# KiCad board robot.kicad_pcb (continued)
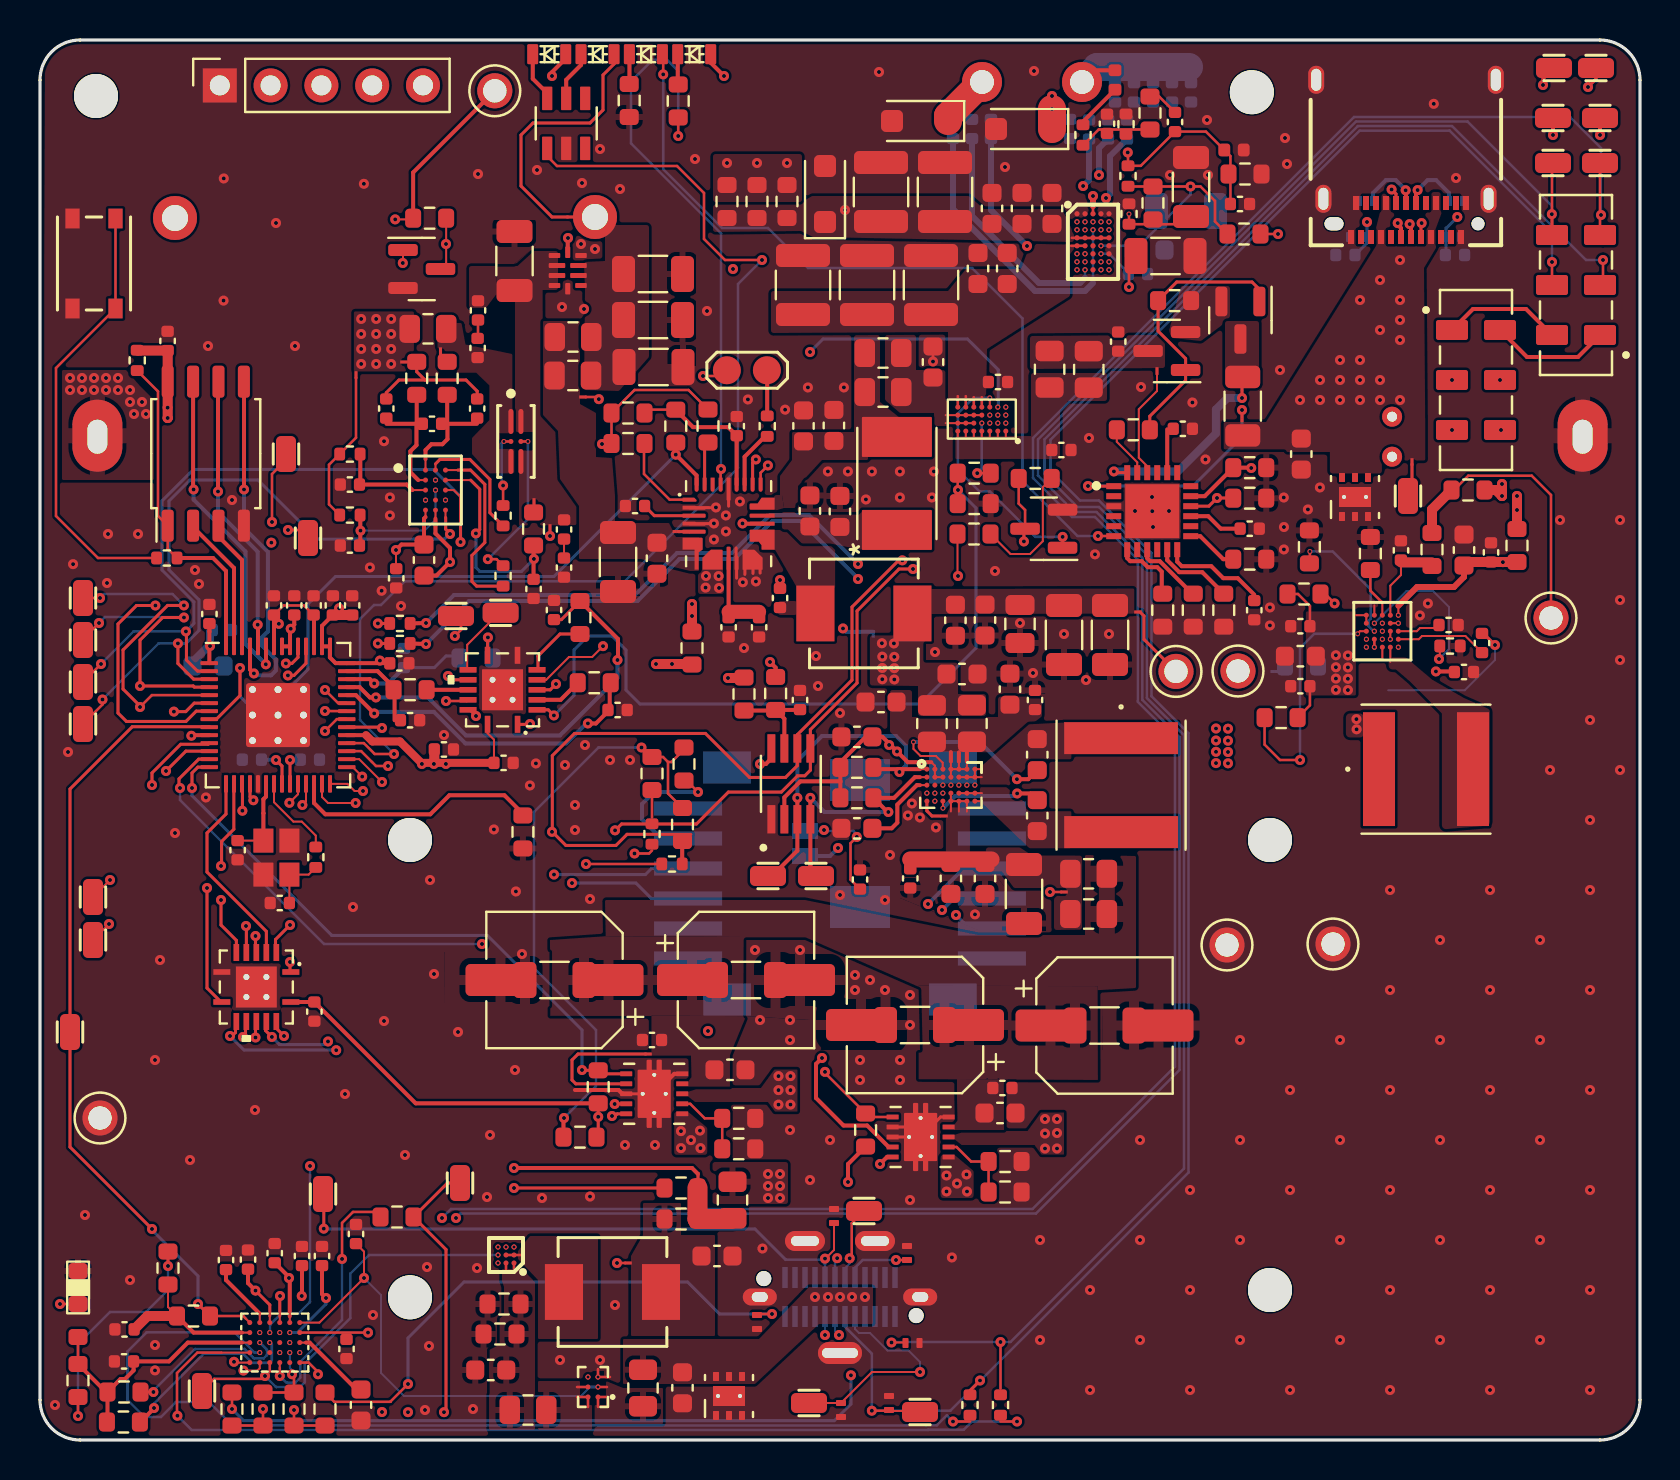
[diagram p0: board, top side]
## Routing (per net, layer and track width the routed paths; a pad name or vN(x,y) marks a point on that pad's centre or on a via; arc(x,y) is an arc through that point) (continued)
Net-(C3-Pad1): length 2.9
  Top Layer w0.1: C3.1 Y1.3 13.43,28.27 R5.2
Net-(C30-Pad2): length 1.9
  Top Layer w0.1: U6.B5 U6.B7 ; U6.B7 47.09,33.14 ; U6.B7 U6.A7 47.1,33.54
Net-(C31-Pad1): length 1.5
  Top Layer w0.1: U6.E7 47.1,31.94 ; 47.1,32.34 U6.D7 U6.D5
Net-(C59-Pad2): length 6.8
  Top Layer w0.152: C61.1 21.86,52.44 21.3,53 19.25,53 ; 19.25,53 18.84,53.41 R43.2 ; 19.25,53 17.95,53 17.31,52.36 C59.2
Net-(C62-Pad2): length 0.9
  Top Layer w0.127: C62.2 21.9,55.1 C63.1
Net-(C65-Pad2): length 0.9
  Top Layer w0.1: C66.1 26.2,44.1 C65.2
Net-(C84-Pad1): length 8
  Top Layer w0.1: U14.C4 U14.D4
  Top Layer w0.152: v1(72.75,39.75) 72.17,40.33 C84.1
  Bottom Layer w0.1: v1(72.75,39.75) 72.75,39 71.24,37.49 67.41,37.49
  vias: v1(65.82,36.04) v1(65.83,35.53) v2(67.52,40.04)
Net-(C100-Pad1): length 0.8
  Top Layer w0.127: U17.A1 23.7,8.45 ; U17.A2 23.3,8.45
Net-(C110-Pad2): length 1.6
  Top Layer w0.127: R96.2 55.95,67.17 C110.2
Net-(C112-Pad2): length 3.7
  Top Layer w0.127: R96.1 52.94,65.53 R101.2
Net-(D1-A): length 33.9
  Top Layer w0.2: v1(34.2,68.2) 33.54,68.86 33.54,69.08
  Signal Layer 1 w0.2: v1(40.15,40.58) 40.15,40.65 38.7,42.1 38.7,45.1 34.2,49.6 34.2,58.1 v1(34.65,58.55)
  Signal Layer 2 w0.2: v1(34.65,58.55) 33.4,59.8 33.4,67.4 v1(34.2,68.2)
  Bottom Layer w0.2: v1(40.15,40.58) 40.32,40.41 41.66,40.41
Net-(D1-K): length 1.6
  Top Layer w0.1: 31.89,67.9 31.91,67.88
  Top Layer w0.2: 31.89,69.48 31.89,67.9
Net-(D2-A): length 91.1
  Top Layer w0.1: 67.92,41.24 67.92,41.72
  Top Layer w0.2: 26.29,69.08 25.6,68.39 v1(25.6,68.2)
  Top Layer w0.3: 71.2,43.9 71.2,43.15 70.7,42.65 68.85,42.65 67.92,41.72
  Top Layer w0.5: 71.2,43.9 C92.1 R94.1
  Signal Layer 1 w0.127: v2(67.12,40.44) 67.29,40.44 67.41,40.55 67.41,40.74 67.91,41.24 v2(67.92,41.24)
  Signal Layer 1 w0.2: v1(73.15,43.89) 75.25,46 75.25,51.2 79.4,55.35 79.4,67 77,69.4 26.8,69.4 v1(25.6,68.2)
Net-(D3-A): length 13.4
  Top Layer w0.152: 26.4,61.15 25.6,61.15 24.05,62.7 24.05,65.25 24.65,65.85 27.5,65.85 28.15,66.5 28.15,68.25 28.7,68.8 28.7,69.5
Net-(D4-K): length 1
  Top Layer w1.4: v1(50.6,66.55) D4.1
  vias: v1(50.6,67.2) v2(53.05,60.91) v2(53.05,60.51) v2(53.45,60.91) v2(53.45,60.51)
Net-(D5-A): length 40.8
  Top Layer w0.127: U18.6 53.68,45.2 v1(52.9,45.2) ; v1(31.16,68.28) 31.16,69.46
  Bottom Layer w0.127: v1(31.16,68.28) 31.16,63.54 34.1,60.6 36.4,60.6 38.4,58.6 46.6,58.6 49.12,56.08 49.12,47.95 51.88,45.2 v1(52.9,45.2)
Net-(D5-K): length 1.7
  Top Layer w0.2: 29.47,69.48 29.47,67.84 29.46,67.83
Net-(D6-K): length 2.7
  Top Layer w1.4: J8.1 45.4,66.2 D6.1
  vias: v2(51.85,60.91) v2(51.85,60.51) v2(52.25,60.91) v2(52.25,60.51)
Net-(D9-A): length 7.6
  Top Layer w0.2: D9.2 52.69,68.48 J8.2
  Bottom Layer w1.4: J8.2 52.85,68.65 57.45,68.65
Net-(D9-K): length 2.4
  Top Layer w0.2: R101.1 52.15,65.92 D9.1
Net-(D11-K): length 15.8
  Top Layer w0.127: v1(54.39,64.38) 54.4,64.37 R98.1 55.04,63.71 C110.1 58.3,65.42 D11.1 59.52,64.19 C111.2
  Signal Layer 2 w0.127: v1(54.39,64.38) 54.15,64.14 54.15,60.7 53.55,60.1 52.8,60.1 52.25,59.55 v2(52.25,59.31)
Net-(IC1-ON): length 45.5
  Top Layer w0.127: 41,27.54 40.53,28.02 40.53,29.84 v1(40.84,30.15)
  Top Layer w0.2: v1(26.4,60.1) 26.39,60.09 IC1.10
  Signal Layer 1 w0.2: v1(39.2,30.5) 38.02,30.5 32.82,35.7 30.02,35.7 27.25,38.47 27.25,45.3 29.45,47.5 29.45,51.8 27.65,53.6 27.65,57.15 26.4,58.4 v1(26.4,60.1)
  Bottom Layer w0.127: SW1.1 40.67,30.45 40.84,30.28 v1(40.84,30.15)
Net-(J4-CC1): length 38.8
  Top Layer w0.1: U11.A3 11.49,6.19 11.5,6.2 ; v1(39.25,9.07) 39.27,9.07 39.7,9.5 U23.1
  Top Layer w0.152: 11.49,6.21 11.49,6.76 v1(10.78,7.47) ; v1(14.19,10.57) 14.19,12.26 TP3.1
  Top Layer w0.2: v1(10.78,7.47) 10.4,7.85 C46.1
  Signal Layer 1 w0.152: v1(14.19,10.57) 12.58,10.57 10.78,8.76 v1(10.78,7.47)
  Bottom Layer w0.127: 37.28,9.02 39.03,9.02 39.25,8.8 J4.A5
  Bottom Layer w0.152: 37.28,9.02 35.75,10.55 14.21,10.55 v1(14.19,10.57)
Net-(J4-CC2): length 60.6
  Top Layer w0.1: U11.A4 11.99,6.2 ; TP4.1 U22.1 41.6,3.4 v1(44,3.4)
  Top Layer w0.152: 11.99,6.2 11.99,7.14
  Top Layer w0.2: v1(13.09,7.2) 13.1,7.21 C45.1
  Signal Layer 1 w0.152: v1(44,3.4) 44,3.27 41.43,0.7 17.8,0.7 v1(17.1,1.4)
  Signal Layer 2 w0.152: v1(13.09,7.2) v1(12,7.2) 11.7,6.9 9.74,6.9 8.5,5.66 8.5,1.9 9.5,0.9 16.6,0.9 v1(17.1,1.4)
  Bottom Layer w0.1: v1(44,3.4) 44,3.9 43.42,4.47 42.38,4.47 41.5,5.35 40.95,5.35 40.75,5.55 J4.B5
Net-(J4-SBU1): length 46.9
  Top Layer w0.127: v1(42.8,9) U21.1 ; R38.2 v1(9.6,1.55)
  Signal Layer 2 w0.127: v1(40.55,3.24) 42.12,3.24 45.05,6.17 45.05,7.37 43.42,9 v1(42.8,9)
  Bottom Layer w0.127: v1(42.8,9) 41.13,9 40.75,8.62 J4.A8
  Bottom Layer w0.152: v1(9.6,1.55) 10.18,0.97 39.72,0.97 40.55,1.8 v1(40.55,3.24)
Net-(J4-SBU2): length 31.8
  Top Layer w0.127: R40.2 14.71,1.91 17.53,1.91 17.53,1.93 v1(18.4,2.8) ; v1(36.6,6.3) 35.9,6.3 U20.1
  Signal Layer 2 w0.1: v1(36.6,6.3) 37.65,5.25 v1(39.25,5.25)
  Bottom Layer w0.1: J4.B8 v1(39.25,5.25)
  Bottom Layer w0.152: v1(18.4,2.8) 18.4,5.1 21.2,7.9 32.38,7.9 33.98,6.3 v1(36.6,6.3)
Net-(L4-Pad2): length 0.8
  Top Layer w0.127: U17.B2 24.1,9.25
Net-(NT1-Pad1): length 1.7
  Top Layer w0.152: TP9.1 68.6,47.4 68.6,48.8
Net-(NT6-Pad2): length 8.2
  Top Layer w0.127: v1(27.94,52.04) 27.84,52.15 27.25,52.15 ; v1(33.15,53.2) 34.06,53.2 TP12.2
  Signal Layer 2 w0.127: v1(27.94,52.04) 28.54,51.45 31.4,51.45 v1(33.15,53.2)
Net-(NT13-Pad1): length 7.7
  Top Layer w0.127: 15.8,53.15 15.8,50.11 R41.1 14.45,48.76 14.45,46.78 R42.1
Net-(NT14-Pad1): length 3.7
  Top Layer w0.152: TP30.1 55.2,40.03 55.2,41.2 55,41.4
Net-(NT16-Pad1): length 18.2
  Top Layer w0.127: 51.1,27.4 v1(50.5,27.4)
  Signal Layer 2 w0.152: v1(50.5,27.4) 50.8,27.7 50.8,33.85 53.25,36.3 57.15,36.3 59.3,38.45 TP34.1
Net-(Q2-GATE1): length 3.6
  Top Layer w0.127: Q2.2 v2(23.2,49.93) ; v1(23.15,47.72) R46.1
  Bottom Layer w0.127: v1(23.15,47.72) 23.08,47.8 23.08,49.84 23.18,49.93
Net-(Q2-GATE2): length 8
  Top Layer w0.127: R47.1 22.83,44.04 v1(22.39,44.04) ; Q2.5 v2(24.4,49.93)
  Bottom Layer w0.127: v1(22.39,44.04) 24.4,46.04 v2(24.4,49.93)
Net-(Q3-G): length 14
  Top Layer w0.152: R58.1 55.49,51.19 57.28,52.98 Q4.1 57.28,54.07 55.91,55.44 R66.2 56.83,57.9 60.6,57.9 60.97,57.53 Q3.1
Net-(Q5-1Y): length 2.3
  Top Layer w0.2: 24.9,37.01 26.03,37.01 R25.2
Net-(Q5-2Y): length 3.2
  Top Layer w0.152: 24.9,38.51 24.9,39.2 26,40.3 R24.2
Net-(Q5-3Y): length 2.2
  Top Layer w0.152: 22.38,39.24 22.38,40.11 v1(22.4,40.13)
  Bottom Layer w0.152: 22.4,38.85 v1(22.4,40.13)
Net-(Q5-4Y): length 2
  Top Layer w0.2: 19.33,37.51 21.36,37.51
Net-(R50-Pad2): length 2.3
  Top Layer w0.2: R50.2 36.36,53.47
Net-(R74-Pad1): length 1.6
  Top Layer w0.127: 27.4,1.65 U16.A2 26.85,2.15 ; U16.B2 26.85,2.65
Net-(SW1-B): length 25.8
  Signal Layer 1 w0.2: v1(25.5,45.2) 25.5,39.8 29.9,35.4 32.7,35.4 38.5,29.6 v1(39.9,29.6)
  Bottom Layer w0.2: SW1.2 39.5,29.2 v1(39.9,29.6)
Net-(U1-BOOT1): length 5.3
  Signal Layer 1 w0.127: v2(52.65,60.91) 52.65,61.25
  Signal Layer 1 w0.3: 52.65,61.25 52.9,61.5 53.31,61.5 53.6,61.79 53.6,61.8 v1(53.3,62.1)
  Bottom Layer w0.3: v1(53.3,62.1) 53.5,62.3 53.5,64.19 C128.1
Net-(U1-BOOT2): length 15
  Bottom Layer w0.127: v2(52.65,60.51) 52.65,57.85
  Bottom Layer w0.3: 52.65,57.85 52.25,57.45 49.75,57.45 45.65,61.55 C123.1
Net-(U1-COMA1): length 7
  Signal Layer 1 w0.127: 51.4,58.95 51.44,58.91 v2(51.85,58.91)
  Signal Layer 1 w0.3: 51.4,58.95 51.4,61.95 52.15,62.7 v1(52.16,62.7)
  Bottom Layer w0.3: C115.1 52.45,62.99 v1(52.16,62.7)
Net-(U1-COMA2): length 11
  Signal Layer 1 w0.127: 52.4,58 52.54,58.14 52.54,58.63 52.26,58.91 v2(52.25,58.91)
  Signal Layer 1 w0.3: 52.4,58 51.05,58 v1(49.35,59.7)
  Bottom Layer w0.3: C118.1 47.55,61.5 v1(49.35,59.7)
Net-(U1-COMB1): length 8.8
  Signal Layer 1 w0.127: v2(51.85,58.51) 51.44,58.51 51.4,58.55
  Signal Layer 1 w0.3: v1(52.95,63.25) 52,63.25 51,62.25 51,58.78 51.23,58.55 51.4,58.55
  Bottom Layer w0.3: C117.1 52.95,64.59 v1(52.95,63.25)
Net-(U1-COMB2): length 11.4
  Bottom Layer w0.127: v2(52.25,58.51) 52.25,58.1
  Bottom Layer w0.3: 52.25,58.1 52,57.85 49.95,57.85 46.6,61.2 C120.1
Net-(U1-NTC): length 7.4
  Top Layer w0.127: C109.1 57.17,60.79 TH2.1 v2(54.45,61.3)
  Signal Layer 1 w0.127: 54.45,61.25 54.45,61.1 53.57,60.22 52.58,60.22 51.85,59.49 v2(51.85,59.31)
Net-(U3-USB_DM): length 7.8
  Top Layer w0.152: U3.46 13.3,38.83 12.7,38.23 v1(12.4,38.23) ; v1(16.9,39.83) R4.2
  Signal Layer 2 w0.152: v1(16.9,39.83) 16.53,39.83 14.93,38.23 v1(12.4,38.23)
Net-(U3-USB_DP): length 7.3
  Top Layer w0.152: v1(16.9,40.83) R3.2 ; U3.47 12.9,39.13 12.6,38.83 v1(12.3,38.83)
  Signal Layer 2 w0.152: v1(16.9,40.83) 16.3,40.23 16.13,40.23 14.73,38.83 v1(12.3,38.83)
Net-(U3-VREG_VOUT): length 19.6
  Top Layer w0.127: 13.67,41.25 13.2,41.73 12.17,41.73 C6.1
  Top Layer w0.152: U3.23 v1(12.5,34)
  Top Layer w0.2: 13.7,41.2 U3.45 ; U3.50 11.7,41.25
  Signal Layer 1 w0.152: v1(11.94,40.81) 11.94,40.14 11.3,39.5 10.1,39.5 9,38.4 9,35 10.8,33.2 12,33.2 12.5,33.7 v1(12.5,34)
  Bottom Layer w0.152: 12.5,34.03 13,34.03
Net-(U4-VINA_S): length 3.3
  Top Layer w0.127: v1(46.86,48.34) R16.1
  Bottom Layer w0.127: 47.09,50.84 47.09,48.57 v1(46.86,48.34)
  vias: v2(47.09,50.84)
Net-(U5-A1): length 16.5
  Top Layer w0.1: U6.A1 44,33.54
  Top Layer w0.2: 36.6,28.2 37.87,29.47 U5.3 v1(37.87,32.11) ; 44,33.54 41.76,33.54
  Bottom Layer w0.2: v1(37.87,32.11) 37.87,33.97 39.1,35.2 42.8,35.2 43.3,34.7 43.3,34.24 43.3,34.24 43.3,33.73 v1(42.97,33.4)
Net-(U5-A2): length 12.4
  Top Layer w0.1: U6.B1 44,33.14
  Top Layer w0.2: 39,28.2 38.52,28.68 U5.4 v1(38.52,32.11) ; v1(42.42,31.4) 42.38,31.4 R20.2 42.71,32.11 43.74,33.14 44,33.14
  Bottom Layer w0.2: v1(38.52,32.11) 39.23,31.4 v1(42.42,31.4)
Net-(U5-EN): length 7.4
  Top Layer w0.2: v1(36.5,38.9) 36.78,38.62 R19.2 ; U5.8 36.57,34.07 36.29,33.8 v1(36,33.8)
  Signal Layer 1 w0.2: v1(36.5,38.9) 36.5,34.3 v1(36,33.8)
Net-(U6-BST1): length 9.6
  Top Layer w0.1: 45.14,33.55 45.14,33.86 44.8,34.2 44.03,34.2 43.67,34.55 v2(43.67,34.9)
  Top Layer w0.2: C30.1 49.41,33.04 v1(48.85,33.04)
  Bottom Layer w0.2: v1(48.85,33.04) 46.99,34.9 v2(43.67,34.9)
Net-(U6-BST2): length 5.5
  Top Layer w0.1: 45.15,31.63 45.15,31.94
  Top Layer w0.2: C31.2 49.53,32.33 v1(48.86,32.33)
  Bottom Layer w0.2: v1(48.86,32.33) 48.73,32.2 45.76,32.2 v2(45.15,31.59)
Net-(U6-FB): length 1.2
  Top Layer w0.152: 45,31.2 44.6,31.2 44.34,31.46 U6.E1
Net-(U6-VL): length 4.1
  Top Layer w0.1: U6.C1 44,32.74
  Top Layer w0.2: C28.1 42.58,30.58 42.87,30.87 42.87,31.77 43.84,32.74 44,32.74
Net-(U8-ISENSE): length 3.8
  Top Layer w0.127: U8.2 45.83,14.65 46.56,13.92 R26.1 R29.1
Net-(U9-A0): length 7.6
  Top Layer w0.152: U9.7 26.79,17.81 26.6,18 26.6,19 26.9,19.3 30.3,19.3
Net-(U9-ISENSE): length 3.8
  Top Layer w0.127: R30.1 R27.1 33.24,16.08 32.51,16.81 U9.2
Net-(U11-AVL): length 4
  Top Layer w0.1: U11.C6 13.3,4.87
  Top Layer w0.2: C49.1 15.9,2.68 15.67,2.68 13.48,4.87 13.3,4.87
Net-(U11-SYS): length 22.6
  Top Layer w0.127: v1(16.4,5.37) U11.B6
  Top Layer w0.152: R75.2 v1(23.7,12.6)
  Signal Layer 1 w0.127: v1(16.4,5.37) 18.87,5.37 20.7,7.2 20.7,9.6 v1(23.7,12.6)
Net-(U11-VBUS): length 22.2
  Top Layer w0.1: C50.1 16.2,9.42 v1(16.2,8.1) 13.97,5.87 U11.A6
  Bottom Layer w0.1: 27.5,2.65 27.05,2.2 18.2,2.2 17.05,3.35 17.05,7.25 v1(16.2,8.1)
Net-(U11-VDD1P1): length 3.3
  Top Layer w0.1: U11.A2 10.99,6.31
  Top Layer w0.2: C51.1 9.3,8 10.99,6.31
Net-(U11-VDD1P8): length 4.4
  Top Layer w0.2: C52.1 14.1,7.3 v1(14.3,7.1)
  Bottom Layer w0.152: 12.49,5.37 12.87,5.37 14.3,6.8 v1(14.3,7.1)
  vias: v2(12.49,5.37)
Net-(U12-BAT): length 6.9
  Top Layer w0.2: 16.02,46.27 16.02,44.8
  Bottom Layer w0.1: v2(19.77,47.5) 19.77,46.01 19.24,45.47 v1(16.03,45.47)
Net-(U12-CHG): length 6.1
  Top Layer w0.1: U12.A2 19.77,48.81
  Top Layer w0.152: R46.2 22.5,46.36 22.5,48.03 21.5,49.03 20,49.03 19.77,48.81
Net-(U12-DSG): length 9
  Top Layer w0.1: U12.A3 20.9,48.5
  Top Layer w0.152: 20.9,48.5 21.53,48.5 22.24,47.78 22.24,44.87 21.6,44.23 21.6,42.93 21.83,42.69 R47.2
Net-(U12-PACKP): length 10.5
  Top Layer w0.1: 21.53,48 U12.B3
  Top Layer w0.152: v1(21.8,45.33) 21.99,45.52 21.99,47.54 21.53,48
  Top Layer w0.2: R48.2 24.68,43.33
  Bottom Layer w0.152: v1(24.7,44.05) 24.07,43.43 22,43.43 21.8,43.63 v1(21.8,45.33)
Net-(U12-REG25): length 98.8
  Top Layer w0.1: v1(17.8,44.5) 17.8,43.57 C55.1 ; U12.E1 19.27,46.15
  Top Layer w0.2: 19.27,46.15 19.2,46.07 C56.1 18.08,44.78 v1(17.8,44.5)
  Signal Layer 1 w0.1: 67.91,51.48 66.51,51.48 64.47,49.44 64.47,48.52 64.7,48.29 67.94,48.29 69.5,49.85 69.5,51.78 65.88,55.4 51.1,55.4 40.3,66.2 31,66.2 28.85,64.05 26.4,64.05 24.1,61.75 24.1,56.45 28.85,51.7 28.85,47.75 27.05,45.95 23.05,45.95 21.5,44.4 17.9,44.4 v1(17.8,44.5)
Net-(U12-SRN): length 6.4
  Top Layer w0.1: U12.B1 18.91,48
  Top Layer w0.2: R43.1 18.84,50.82 ; 18.91,48 18.52,48.39 18.52,49.44 18.82,49.74 18.82,50.81 17.33,50.81
Net-(U12-SRP): length 6
  Top Layer w0.1: U12.A1 19.27,49.05
  Top Layer w0.2: R45.1 20.36,50.83 ; 19.27,49.05 19.27,49.49 19.57,49.79 20.12,49.79 20.37,50.04 20.37,50.81 21.85,50.81
Net-(U12-TS): length 86.6
  Top Layer w0.1: U12.E2 19.77,46.06 19.77,46.06
  Top Layer w0.2: C56.2 19.83,43.22 v1(20.5,43.9) 20.5,44.6 19.77,45.33 19.77,46.06
  Signal Layer 1 w0.1: 67.91,48.98 69.3,50.38 69.3,51.7 65.8,55.2 51,55.2 40.2,66 31.08,66 28.88,63.8 26.6,63.8 24.4,61.6 24.4,56.5 29.2,51.7 29.2,47.6 27.35,45.75 23.15,45.75 21.3,43.9 v1(20.5,43.9)
Net-(U12-VPWR): length 4.6
  Top Layer w0.1: U12.C1 18.62,47.5
  Top Layer w0.2: 16.02,49.3 16.02,47.82 ; 16.27,47.77 18.34,47.77 18.62,47.5
Net-(U13-BST): length 4.6
  Top Layer w0.2: U13.20 36.15,45.81 35.14,45.81 v1(35.13,45.83)
  Signal Layer 1 w0.2: v1(35.13,45.83) 37,43.95 v1(37,43)
Net-(U13-EXTSM): length 2.8
  Top Layer w0.2: U13.26 35.23,49.16 36.25,50.18
Net-(U13-STAT): length 29.4
  Top Layer w0.127: v1(34.05,48.55) 34.03,48.53 U13.29 ; 31.91,66.23 v1(31.91,65.2)
  Bottom Layer w0.127: v1(34.05,48.55) 34.05,60.33 29.55,64.83 29.55,67.93 30.63,69.01 31.35,69.01 31.91,68.45 v1(31.91,65.2)
Net-(U13-VDD): length 2.5
  Top Layer w0.152: C72.1 30.71,46.22 U13.3
Net-(U14-BST): length 4.6
  Top Layer w0.1: U14.D5 68.94,40.04 69.1,40.2 71.27,40.2 C84.2
Net-(U14-EN1): length 4
  Top Layer w0.127: R92.1 64.26,42.3 v1(64.73,41.83)
  Signal Layer 2 w0.127: v2(66.32,40.04) 66.17,39.89 65.6,39.89 64.73,40.76 v1(64.73,41.83)
Net-(U14-ENLDO): length 12.7
  Top Layer w0.1: 65.9,40.34 66,40.44 U14.C1
  Top Layer w0.127: v1(63,34) 62,34 61.23,34.77 R93.1
  Bottom Layer w0.127: v2(65.88,40.31) 63.71,40.31 63,39.6 v1(63,34)
Net-(U14-LDO): length 4.4
  Top Layer w0.1: 68.05,43.88 68.05,43.25 67.52,42.72 U14.A4 ; 69.59,43.88 69.6,43.88
  Top Layer w0.5: 68.05,43.88 69.59,43.88
Net-(U14-LXA): length 0.7
  Top Layer w0.1: U14.E4 67.52,38.91
Net-(U14-RSET_IPK): length 6.7
  Top Layer w0.127: v2(63.5,44.43) 63.5,43.86
  Bottom Layer w0.127: 66.72,40.44 66.69,40.44 66.43,40.69 66.43,40.96 66.53,41.06 66.53,42.53 64.63,44.43 v2(63.5,44.43)
  vias: v2(66.72,40.44)
Net-(U14-RSET_LDO): length 8.2
  Top Layer w0.1: v1(69.95,39.05) 69.99,39.09 R9.1
  Bottom Layer w0.1: v2(66.72,40.84) 68.33,42.45 69.65,42.45 70.45,41.65 70.45,39.55 v1(69.95,39.05)
Net-(U14-RSET_SBB1): length 2.8
  Top Layer w0.1: U14.A3 67.12,41.87
  Top Layer w0.127: 66.52,43.83 66.52,42.47 67.12,41.87
Net-(U14-SBB0): length 2.2
  Top Layer w0.1: U14.C5 68.84,40.44 69,40.6 69.8,40.6 C94.1
Net-(U14-SBB2): length 4.5
  Top Layer w0.2: C95.1 70.69,38.43 v1(69.8,38.43)
  Signal Layer 2 w0.127: 67.12,40.04 67.12,39.6
  Signal Layer 2 w0.2: 67.12,39.6 68.3,38.43 v1(69.8,38.43)
  vias: v2(67.12,40.04)
Net-(U16-ON): length 21.4
  Top Layer w0.152: v1(20.2,1.39) 20.3,1.49 20.3,9.53 R65.1 20.38,12.85 TP5.1
  Signal Layer 1 w0.152: v2(27.4,3.15) 21.96,3.15 v1(20.2,1.39)
Net-(U17-MODE): length 33.7
  Top Layer w0.127: v1(1,6.8) R95.2
  Signal Layer 1 w0.127: v2(22.9,9.65) 22.89,9.65 22.61,9.37 22.61,5.61 18.4,1.4 v1(18.4,1.39)
  Signal Layer 2 w0.127: v1(18.4,1.39) 17.61,0.6 3.2,0.6 1,2.8 v1(1,6.8)
Net-(U17-VIN): length 6.4
  Top Layer w0.127: 29.3,8.85 v1(28.85,8.85)
  Signal Layer 1 w0.127: v1(28.85,8.85) v2(22.9,8.85)
Net-(U18-IFB): length 2.4
  Top Layer w0.2: U18.15 58.41,46.19 59.04,45.57 59.71,45.57
Net-(U18-ISENP): length 11.3
  Top Layer w0.152: U18.1 52.41,47.69
  Bottom Layer w0.152: v1(52.4,47.7) 57.65,47.7 60.1,50.15 v1(60.1,51.5)
Net-(U18-PSEL): length 2.6
  Top Layer w0.2: R62.1 59.16,44.04 58.01,45.19 U18.13
Net-(U18-PWR_EN): length 2.6
  Top Layer w0.1: U18.23 54.86,48.89 53.84,49.91 R58.2
Net-(U18-V3VD): length 5.1
  Top Layer w0.2: U18.12 56.86,43.92 57.09,43.69 58.56,43.69 59.16,43.09 59.89,43.09 60.71,42.27
Net-(U18-V5V): length 2.2
  Top Layer w0.2: U18.20 56.36,50.53
Net-(U18-VBUS): length 5.5
  Top Layer w0.1: U18.22 55.36,48.69 54.94,49.11 54.94,51.54 55.85,52.45 55.85,53.35
Net-(U18-VCC): length 9.3
  Top Layer w0.152: U18.24 53.76,48.37 v1(53.7,48.43)
  Bottom Layer w0.4: v1(60.1,52.1) 59.37,52.1 58.8,51.53 58.8,50.33 56.9,48.43 v1(53.7,48.43)
Net-(U18-VSEL0): length 3.4
  Top Layer w0.2: U18.9 55.36,44.09 55.51,43.94 55.99,43.94 57.56,42.37 57.56,42.32
Net-(U18-VSEL1): length 3.5
  Top Layer w0.2: U18.7 54.36,44.09 54.51,43.94 55.09,43.94 55.39,43.64 55.86,43.64 56.09,43.42 56.09,42.32
Net-(U18-VSEL2): length 4
  Top Layer w0.2: U18.11 56.36,43.99 56.96,43.39 58.11,43.39 R61.2

## Copper pours and planes (outline as drawn; the poured copper is in the pictures)
/MOTORS/VCC on Top Layer: 43.93,18.04 43.93,22.72 52.88,22.69 52.89,18
/MOTORS/VCC on Top Layer: 25.51,21.21 25.5,25 28.29,25.19 35.31,25.15 35.3,21.19
/MOTORS/VCC on Top Layer: 34.5,17.67 34.5,19.24 35.3,21.19 30.57,21.22 30.57,19.22 32.55,19.22 32.57,18.14 32.4,17.92 32.4,17.67
/MOTORS/VCC on Top Layer: 48.2,15.5 48.2,18.03 45.85,18.05 45.85,17.05 45.88,15.97 45.7,15.75 45.7,15.5
/MOTORS/VCC on Top Layer: 52.25,29.25 52.25,25.25 46.9,25.25 38.25,27 28.25,27 28.29,25.04 38.25,25 43.93,22.52 52.88,22.49 54.8,22.6 54.8,29.2
/PowerMux/VIN_A on Top Layer: 49.55,49.05 51,49.05 51,51.45 51.4,51.95 53.35,51.95 53.35,53.35 49.55,53.35
/PowerMux/VIN_A on Top Layer: 50.49,49.06 45.77,49.04 45.77,50.18 50.49,50.2
/PowerMux/VIN_B on Top Layer: 51.5,57.2 51.5,59.3 51.7,59.55 51.7,59.9 49.55,59.9 49.05,58.55 46.3,58.55 45.4,57.45 36.55,57.45 36.55,55.35 45.4,55.4 45.4,52 47.3,52 47.35,54.55
/USB-PD-ExtChg/VBUS_EXT on Top Layer: 67.1,48.33 64.5,48.33 64.5,49.63 67.1,49.63
/USB-PD-ExtChg/VBUS_EXT on Top Layer: 69.26,49.4 69.27,48.98 67.45,48.97 67.45,49.4 59.19,49.4 59.19,50.9 69.26,50.9
/USB-PD-ExtChg/VBUS_EXT on Top Layer: 67,62.4 70.1,62.4 70.1,61.4 69.8,60.6 69.8,59.6 69.2,58.6 69.26,50.9 61.3,50.9 66.8,59.7 66.8,60.6 67,61.4
/USB-PD-ExtChg/VBUS_EXT on Bottom Layer: 67,62.4 70.1,62.4 70.1,61.4 69.8,60.6 69.8,59.6 69.2,58.6 69.26,50.9 62,50.9 61.99,52.01 66.8,59.7 66.8,60.6 67,61.4
/USB-PD-PhonePC/VBUS_Phone on Top Layer: 41.65,5.8 38.95,5.8 35.75,2.8 29.15,2.8 29.15,5.05 35.95,5.05 38.45,7.65 41.65,7.65
/USB-PD-PhonePC/VBUS_Phone on Top Layer: 29.15,2.8 29.15,5.05 31.2,5.05 31.2,2.8
/USB-PD-PhonePC/VBUS_Phone on Bottom Layer: 41.5,8.35 41.5,7.45 41.7,7.45 41.7,6.85 41.5,6.85 41.5,5.65 41,5.65 41,6.8 39,6.8 39,5.55 38.5,5.55 38.5,6.85 38.3,6.85 38.3,7.45 38.5,7.45 38.5,8.75 39,8.75 39,7.45 41,7.45 41,8.35
/USB-PD-PhonePC/VBUS_Phone_PS on Top Layer: 29.15,2.6 31.15,2.6 31.15,0.8 27.7,0.8 27.7,1.75 28.3,1.75 28.3,2.95
GND on Top Layer: 23.3,30.4 23.3,28.7 25,28.7 25,30.4
GND on Top Layer: 44.3,41.1 44.3,39 47.65,39 47.65,37.3 55.05,37.3 55.05,41.1
GND on Top Layer: 30.5,59.6 30.5,53.7 32.8,53.7 32.8,59.6
GND on Top Layer: 58.4,22.2 58.4,19.5 53.13,19.5 53.15,22.2
GND on Top Layer: 23,7.65 20.65,7.65 20.65,2.35 22.35,2.35 22.35,4.6 22.85,4.85 22.85,6.15 23,6.35
GND on Top Layer: 22.5,61 22.5,58.8 23.7,58.8 24.3,59.3 24.8,59.7 24.8,61
GND on Top Layer: 38.3,48 37.9,47.5 37.9,46.4 40.9,46.4 40.9,48
GND on Top Layer: 25.47,24.4 25.47,21.7 20.2,21.7 20.22,24.4
GND on Top Layer: 35.31,25 35.3,21.19 38.5,21 38.5,19.5 44,19.5 43.93,22.52 38.25,25
GND on Top Layer: 65.6,45.7 65.6,44.1 67.3,44.1 67.3,45.7
GND on Top Layer: 0.8,9.7 0.8,7.5 3.1,7.5 3.1,9.7
GND on Top Layer: 70.3,40.3 70.3,39.1 71.6,39.1 71.6,40.3
GND on Top Layer: 39.9,30 39.9,27.8 42.2,27.8 42.2,30
GND on Top Layer: 48.4,27.4 47.9,28.1 43,28.1 43,27.1 44.7,26.4 46.9,25.5 50.3,25.45 50.3,27.4
GND on Top Layer: 46.8,47.6 46.8,46 48.3,46 48.3,47.6
GND on Top Layer: 59.2,49.4 59.2,46.2 61.6,46.2 61.6,44.8 60.5,44.8 60.5,43.2 62.1,43.2 62.1,44.6 64.3,44.6 64.3,46.2 62.2,46.2 62.2,49.4
GND on Top Layer: 39.2,36 39.2,34.3 40.1,34.3 40.9,35.1 40.9,36
GND on Top Layer: 27.7,44.4 27.7,42.2 31.4,42.2 31.4,44.4
GND on Top Layer: 70.53,40.24 68.52,40.23 68.52,40.58 70.04,41.11 70.53,41.11
GND on Top Layer: 28.3,67 28.3,64.8 30.6,64.8 30.6,67
GND on Top Layer: 74.4,52.8 74.4,47.7 80.2,47.7 80.2,52.8
GND on Top Layer, Bottom Layer, Signal Layer 1, Signal Layer 2: 80,0 0,0 0.25,70 80.25,70
GND on Bottom Layer: 75.2,52.8 75.2,47.8 79.2,47.8 79.2,52.8
/BoostRegulator/IN on Top Layer: 42.5,37.5 42.5,35.4 43.6,34.4 47.82,34.39 50.1,36.19 50.1,37.3 47.9,37.3 47.9,36.15 43.6,36.15 43.6,37.5
/Charger/BATT on Top Layer: 27,55.95 27,51.8 27.8,51.35 27.8,49.15 28.6,49.1 28.75,47.2 28.75,45.85 31.45,45.85 31.8,45.15 32.95,45.15 32.95,43.45 32.5,43.45 30.05,44.05 26.95,44.05 26.95,46.7 26,48.05 25.9,50.45 25.15,51.25 25.15,55.95
/Charger/V_IN on Top Layer: 37,46.6 37.9,46.6 37.9,47.7 39.1,49 41.4,49 41.4,50.4 37.6,50.4 37.6,49 37,48.2
/Charger/V_IN on Top Layer: 40.7,55.4 40.7,49.2 44.5,49.2 44.5,51.1 43,51.1 42,51.9 42,55.4
/LDOs/SYS on Top Layer: 65.8,37.23 63.3,37.23 63.3,41.43 65.8,41.43
/LDOs/SYS on Bottom Layer: 65.8,39.6 65.8,37 64.2,37 63.5,37.86 63.5,39.26 64.2,39.6
/MOTORS/OUT_N1 on Top Layer: 45.73,14.25 46.68,13.45 46.68,12.1 45.03,12.1 45.03,14.25
/MOTORS/OUT_N1 on Bottom Layer: 48.35,23.65 48.33,22.3 45.4,18.6 45.4,15.2 44.88,13.82 44.88,12 46.8,12 46.8,13.6 51.47,19.22 51.55,24.8 48.35,24.8
/MOTORS/OUT_N2 on Top Layer: 32.41,16.41 33.36,15.61 33.36,14.26 31.71,14.26 31.71,16.41
/MOTORS/OUT_N2 on Bottom Layer: 28.7,19.9 30.9,18.8 31.8,17.7 31.4,14.1 33.5,14.1 33.9,19.5 32.7,21 32.7,24.45 28.7,24.45
/MOTORS/OUT_P1 on Top Layer: 46.33,15.45 45.7,15.25 45.7,15.05 46.08,14.75 49.72,14.75 50.08,14.28 51.2,14.28 51.2,16.38 50.05,16.38 49.38,15.45
/MOTORS/OUT_P1 on Bottom Layer: 48.95,31.2 51.6,28.2 51.55,24.8 51.47,19.22 49.4,16.8 49.4,14 51.2,14 52.67,15.62 54.88,18.9 54.6,33.05 50.1,33.1 49.4,31.95 48.95,31.95
/MOTORS/OUT_P2 on Top Layer: 33,17.6 32.38,17.4 32.38,17.2 32.75,16.9 36.39,16.9 36.75,16.43 37.87,16.43 37.87,18.53 36.72,18.53 36.05,17.6
/MOTORS/OUT_P2 on Bottom Layer: 31.7,32.2 31.7,30.8 34.4,30.8 34.7,23.3 35.7,23.3 35.7,16.2 38.7,16.2 38.6,26.9 37.3,28.8 37.3,32.2
/PowerMux/VOUT on Top Layer: 45.4,50.7 45.4,53.5 43.8,53.5 43.8,55.4 42.25,55.4 42.25,52 43,51.35 44.7,51.35 44.7,50.7
/Protection/PACK+ on Top Layer: 27.2,52.5 28.95,52.45 30.45,54.15 30.45,60.75 28.25,60.75 28.25,58.95 27.2,58.9 27.25,57.5
/SYS on Top Layer: 41.5,40.23 41.5,37.73 43.9,37.7 43.9,36.2 47.3,36.2 47.3,37.3 45.9,37.3 45.9,39 44.3,39 44.3,40.23
/SYS on Top Layer: 34.1,44.5 34.2,42.3 32.9,42.3 32.9,43.3 33.1,43.5 33.1,44.1 33.5,44.5
/SYS on Top Layer: 54.71,41.32 44.51,41.3 44.51,42.55 54.71,42.57
/SYS on Top Layer: 33.62,11.8 37.4,11.8 37.4,13.9 33.62,13.9
/SYS on Bottom Layer: 58.2,36 58.2,33.4 60,33.4 60.35,34.9 62.35,36.9 62.67,37.19 62.67,38.99 61.6,39 60.25,37.4
/SYS on Bottom Layer: 32.65,43.75 34.25,43.75 40.75,40.25 43.25,40.25 43.25,37.5 40.25,37.5 34.5,41 32.65,42.2
/SYS on Signal Layer 1: 41.7,40.23 44.8,40.23 48.2,36.83 54.4,36.83 55.4,36 60,36 60,33.2 54.6,33.2 53.2,34.6 45.2,34.6 41.7,37.6
/SYS on Signal Layer 2: 39.7,11.8 39.7,12.7 42.7,16 56.45,21.62 56.4,32.5 60.4,33.3 60.4,36.3 57.7,36.3 52,33.2 52,25.3 40.9,19.8 38.3,16.7 35.8,15.4 35.8,11.8
/USB-PD-ExtChg/VOUT on Top Layer: 56.25,53.6 49.5,53.55 49.5,55.2 56.25,55.25
/VBoost on Top Layer: 46.5,29.23 45.3,29.23 45.3,31.23 45.5,31.63 46.5,31.63
/VBoost on Top Layer: 47.3,29.63 47.3,28.43 48.1,28.43 48.7,27.6 50.7,27.6 50.7,25.5 52.1,25.52 52.11,29.22 49.6,29.23 49,29.63
/VRect on Top Layer: 51.7,59.9 51.7,60.3 51.1,61.55 47.2,61.55 46.45,62.2 38.6,62.2 38.1,61.9 33.65,61.9 33.65,60.4 38.05,60.45 38.65,60.15
/Wireless-Receiver/IEXT on Top Layer: 33.65,61.9 33.65,64.3 38.1,64.3 38.1,61.9
Net-(BT1-+) on Top Layer: 4.3,53.5 1.1,53.5 1.1,48 5.7,48 5.7,52 5,52.7
Net-(BT1-+) on Top Layer: 18.7,53.43 15.7,53.43 15.7,56.43 18.7,56.43
Net-(BT1-+) on Bottom Layer: 8.25,62.5 8.25,58 5.25,57.25 5.25,62.5
Net-(BT1-+) on Bottom Layer: 18.4,58.23 18.4,53.23 11.8,53.2 5.7,52.3 5.7,47.8 1,47.8 1,53.5 5.9,58.4
Net-(C30-Pad2) on Top Layer: 51.57,34.04 49.72,34.04 48.42,32.69 46.97,32.69 46.95,33.59 49.45,35.79 51.57,35.89
Net-(C31-Pad1) on Top Layer: 51.57,31.44 49.77,31.44 48.32,32.64 47.02,32.64 47,32.5 47,31.8 47.17,31.79 49.47,29.59 51.57,29.59
Net-(C62-Pad1) on Top Layer: 21.28,54.78 23.72,54.28 23.72,51.56 23.71,51.56 23.71,50.34 22.97,50.34 22.97,49.55 23.71,49.55 23.71,48.33 22.47,48.33 21.6,49.3 21.6,50.1 22.47,51 22.47,52.73 21.81,53.36 19.88,53.36 19.88,55.85 21.08,55.85
Net-(C73-Pad2) on Top Layer: 38.03,44.85 39.41,44.85 39.76,44.5 39.76,42.6 37.86,42.6 36.76,44.5 36.08,44.5 36.08,45.5 37.38,45.5
Net-(C84-Pad1) on Top Layer: 66.2,35.13 65.3,35.13 65.3,36.33 66.2,36.33
Net-(C84-Pad1) on Bottom Layer: 67.7,36.62 65.4,34.93 65.4,36.33 65.8,36.33 67,37.23 67.41,39.72 67.39,40.57 67.7,40.58
Net-(C100-Pad1) on Top Layer: 22.45,0.5 22.45,4.5 22.95,4.75 22.95,6.05 23.2,6.25 23.2,7.65 23.1,7.95 23.1,8.55 24.1,8.55 24.75,7.9 24.75,0.5
Net-(C101-Pad1) on Top Layer: 32.05,11.85 30.15,11.85 30.15,10.25 32.05,10.25
Net-(C101-Pad1) on Top Layer: 29.55,5.2 33.75,5.2 33.75,10.25 30.15,10.25 29.55,9.2
Net-(D4-K) on Bottom Layer: 58.2,67.45 53.35,67.45 52.55,66.65 51.2,66.65 50.7,67.7 50.15,67.7 50.15,66.35 50.95,65.55 54.9,65.55 54.9,64.6 53.75,63.55 53.6,61.45 52.85,61.15 52.85,60.35 54.55,60.35 54.95,62.7 56.75,64.2 58.2,66.45
Net-(D6-K) on Bottom Layer: 45.75,69.2 45.15,67.05 45.15,65.55 48.05,65.55 48.05,64.7 51.55,60.35 52.45,60.35 52.45,61.1 52.1,61.75 52,65.55 50.95,65.55 50.15,66.35 50.15,67.7 49.2,69.2
Net-(D7-Cathode) on Top Layer: 42.1,46.4 42.1,44.53 41,44.53 39.5,44.83 38.1,44.83 37.4,45.53 37.1,45.53 37.1,46.4
Net-(IC1-VBIAS) on Top Layer: 22.3,56.6 22.83,57.3 22.83,58.7 21.45,58.7 21.45,56.6
Net-(IC1-VBIAS) on Top Layer: 25,59.45 25.9,59.45 25.9,57.5 25,57.5
Net-(IC1-VBIAS) on Top Layer: 25.12,59.45 25.15,51.7 25.9,50.9 26,48.05 26.95,46.7 26.95,45.75 23.95,45.72 23.95,49.47 24.62,49.47 24.62,50.4 23.75,50.4 23.75,57.3 22.78,57.3 22.78,58.7 23.88,58.7 24.7,59.45
Net-(L4-Pad2) on Top Layer: 23.9,9.05 23.9,9.45 24.5,10.2 27.9,10.2 27.9,5.05 24.9,5.05 24.9,8
Net-(Q3-D) on Top Layer: 60.95,55.95 60.95,52.7 59.25,52.7 59.25,55.95
Net-(Q3-S) on Top Layer: 59.5,57.7 59.5,56.05 58.05,54.95 56.6,55.1 56.45,55.45 57.05,57.7
Net-(R74-Pad1) on Top Layer: 27.6,1.75 27,1.75 27,2.95 24.9,2.95 24.9,0.5 27.6,0.5
Net-(U14-LXA) on Top Layer: 69.61,38.02 71.2,37.1 72.5,36.53 72.5,30.73 70.1,30.53 70.1,36.33 68.5,37.93 67.8,38.53 67.43,38.53 67.43,39.13 68.3,39.13

Small or netless copper shapes (teardrops, artwork), in the pictures only: 3 on Top Layer

## Text on the board
M10 Fab Notes: 2.  Soldermask:  Soldermask over bare copper, both sides. / Color: Green | 16.  Surface finish: ENIG | the plating process ONLY IF: | Over 0.090 inches - +/-0.006 | 15.  Final PCB thickness 1.0mm | 0.021 to 0.090 inches - +/-0.003 | NOTE UNLESS OTHERWISE SPECIFIED: | (No hatching, grids, or lines allowed.) | Under 0.021 inches - +0.003/-0.006 | Bottom side is to be the same, if present. | There shall be no soldermask on any land. | There shall be no ink on any exposed land. | 1. ALL COMPONENTS SHALL BE RoHS COMPLIANT. | 11.  All Artwork is viewed through the PC Board. | Top side with white, permanent, non-conductive ink. | 19. FINISHED BOARD SHALL BE FREE OF ALL RESIDUES. | 14.  Traces shall finish at the artwork width, +/- 1 mil. | 5.  Minimum copper plate in all holes to be 0.001 inches. | Soldermask shall be in accordance with IPC-SM-840 Class T. | 10.  Ref.: Minimum Conductor Width/Spacing:  0.1mm/0.1mm. | 20. ALL LEADS SHALL BE TRIMMED TO A MAXIMUM HEIGHT OF 2mm | 13.  Finished drill hole size tolerances unless otherwise specified: | 3.  Silkscreen:  DO NOT clear silkscreen (legend) from tented vias. | A.  All thieving pads are kept at least 55 mils from other features, | B.  The thieving pattern is made up of individual and separate pads. | requirement must have written authorization from Christopher Buckley | 12.  PCB must be tested per IPC-9252 Class 2.  Any deviation from this | 18. ALL COMPONENTS SHALL BE MOUNTED FLUSH TO THE BOARD, EXCEPT AS NOTED. | 17. ALL UNUSED THROUGH HOLE COMPONENT LOCATIONS SHALL BE FREE OF SOLDER. | 21. ALL .15MM VIAS TO BE VIA-IN-PAD PROCESS (TYPE VII VIAS, PLATED OVER WITH COPPER) | 4.  Board fabrication acceptance shall meet IPC-6012-B Class 2 workmanship requirements. | 6.  Copper thieving may be added by the PCB fabricator on inner and outer signal layers to assist
